# Allegro board A523-EVB-AXP717C-LPDDR4-4X-32X1-V1-0.brd (continued)
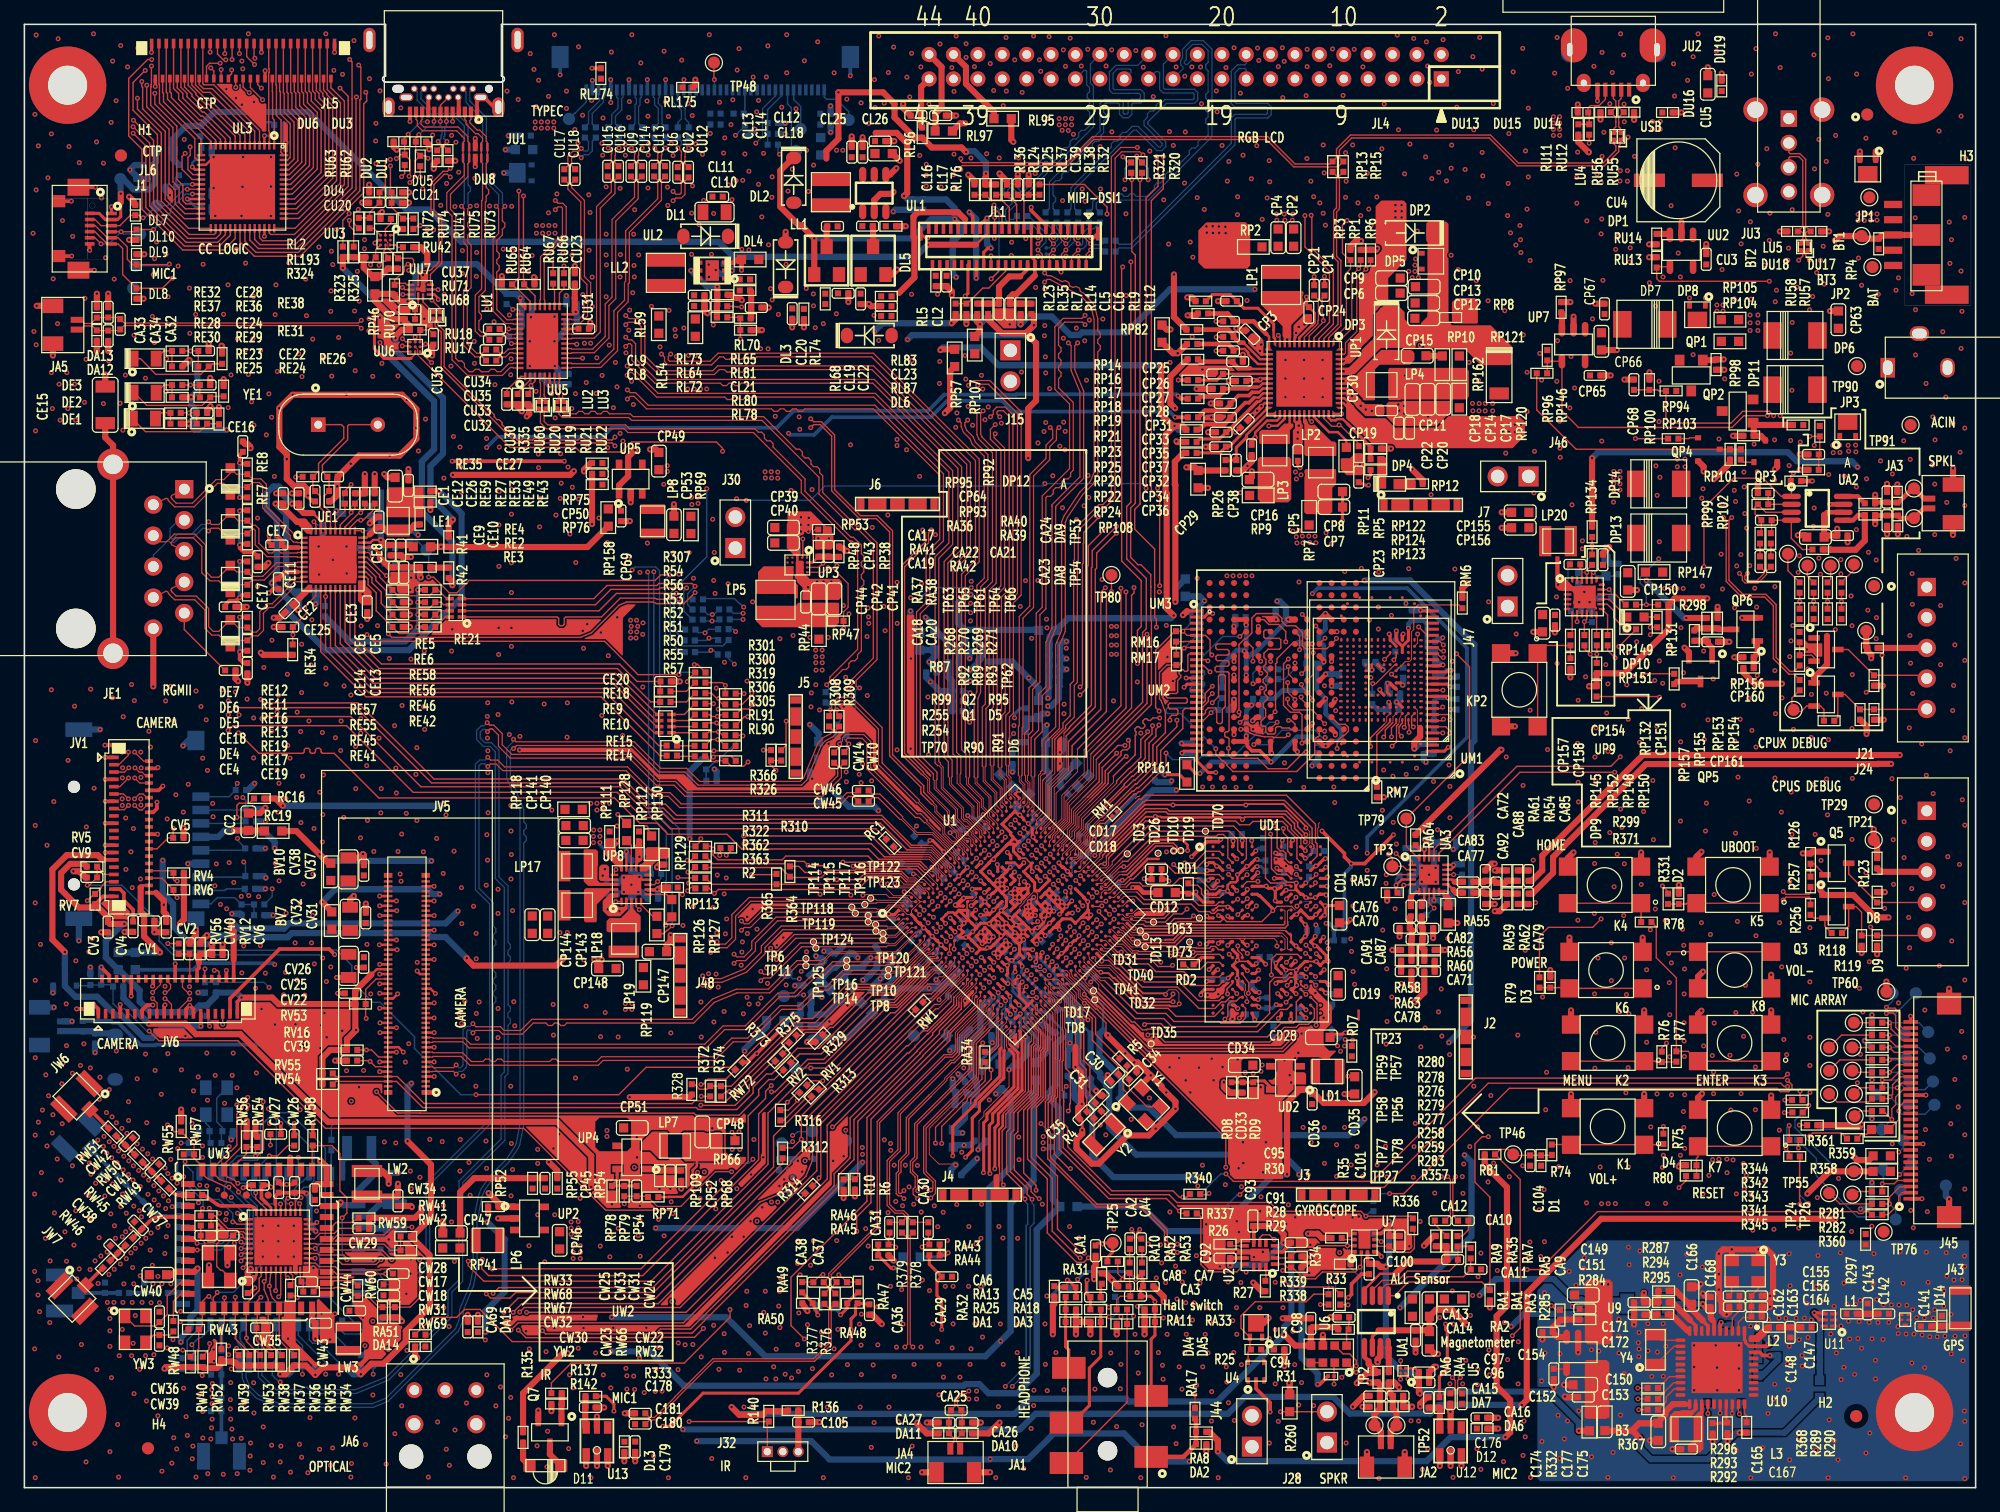
[diagram p0: board, top side]
## Routing (per net, layer and track width the routed paths; a pad name or vN(x,y) marks a point on that pad's centre or on a via; arc(x,y) is an arc through that point) (continued)
  TOP w0.33: JU1.A1 v1(37.12,112.04)
  TOP w0.381: UM2.G3 107.4,64.4 107.4,64.56 v1(107.49,64.65) ; v1(107.49,61.72) 107.49,61.88 UM2.E3 ; v1(104.39,60.35) 104.18,60.55 UM2.D6 ; DU8.3 v1(36.97,108.33) ; v1(102.63,71.19) UM2.P8 ; DU8.8 v1(36.97,110.64) ; v1(99.18,61.75) UM2.E11 ; UA2.7 v1(148.03,80.64) ; v1(99.18,66.63) UM2.J11 ; CV22.1 v1(25.69,40.54) ; JV5.1 33.49,32.41 v1(33.61,32.54) ; v1(99.18,64.63) UM2.G11 ; v1(107.18,67.75) UM2.L3 ; CD12.2 91.76,48.8 91.35,49.21 v1(90.89,49.21) ; v1(101.18,70.63) UM2.N9 ; CV26.1 v1(25.6,41.84) ; v1(105.18,69.75) UM2.N5 ; CV25.1 v1(27.22,42.65) ; v1(107.63,70.19) UM2.N3 ; RA36.1 v1(146.61,82.55) ; v1(99.18,70.63) UM2.N11 ; v1(99.18,67.75) UM2.L11 ; v1(100.74,62.19) UM2.E9 ; v1(105.62,62.68) 105.62,62.68 105.62,62.64 105.56,62.58 105.56,62.57 105.25,62.26 105.25,62.26 UM2.E5 ; UL2.3 58.18,100.46 58.43,100.72 RL70.2 v1(58.8,99.84) ; v1(107.18,65.75) UM2.J3
  TOP w0.508: v1(77.39,107.67) 77.9,107.16 RL36.1 ; v1(143.54,83.52) 143.73,83.71 QP3.2 ; CU23.1 v1(45.13,100.18) ; CW29.2 RW59.2 32.03,22.12 32.54,22.63 v1(32.54,23.01) ; CP32.2 v1(97.32,87.77) ; TP60.1 v1(152.68,41.5) ; R91.2 151.05,62.44 v1(151.05,61.8) ; CA7.2 93.42,15.66 v1(93.42,15.24) ; v1(71.27,106.26) 71.1,106.1 70.2,106.1 69.69,105.59 UL1.2 ; v1(51.31,85.14) 51.48,85.14 51.78,85.14 CP49.2 ; CA21.2 v1(149.5,77.52) ; v1(80.8,95.4) CL6.2 CL5.2 ; RE59.1 24.99,80.89 25.15,80.89 25.63,81.37 25.63,82.1 v1(25.65,82.11) 25.65,82.65 25.69,82.7 CE27.2 v1(26.76,83.96) 27.43,84.64 v1(29.96,84.64) 30.76,84.64 32.14,86.01 v1(32.14,86.91) 32.14,88.45 v1(31.36,89.23) 30.97,89.62 v1(26.41,89.62) v1(22,89.62) v1(20.91,88.53) 20.91,85.35 21.52,84.74 v1(21.52,84.35) 21.52,82.72 22.09,82.15 22.92,82.15 23.19,81.89 23.19,81.42 v1(23.24,81.36) ; CV38.1 27.46,51.66 v1(27.76,51.96) 27.83,51.88 CV37.1 ; DA1.1 DA3.1 87.41,12.57 v1(87.41,12.57) ; DA1.1 RA25.1 ; DA1.1 86.23,12.57 v1(86.23,12.57) ; v1(98.76,90.78) 98.79,90.75 CP30.2 ; CV3.2 v1(6.3,45.54) ; U3.3 101.59,13.48 v1(102.03,13.92) ; CV2.2 v1(10.66,45.55) CV1.2 ; UP7.2 v1(127.03,96.04) ; CP147.2 52.67,44.49 52.98,44.81 v1(52.98,45.31) ; CP150.2 v1(132.23,73.61) ; K6.2 v1(132.69,45.11) ; C35.2 86.41,30.36 86.41,31.16 v1(86.7,31.46) 86.64,31.52 86.64,34.04 v1(86.18,34.49) 86.18,36.16 ; C101.2 v1(113.56,19.79) ; v1(8.59,105.87) 8.97,105.49 8.97,105.33 DL7.1 ; CA34.2 v1(6.87,93.22) ; v1(100.76,16.81) 101.47,16.11 R27.2 ; v1(96.6,91.69) 96.96,91.33 CP33.2 ; CE25.1 v1(20.44,70.58) ; v1(31.53,105.37) CU21.1 ; DU6.1 30.28,109.97 v1(30.53,109.72) ; v1(137.64,42.32) 137.23,41.91 K8.2 ; v1(32.21,10.66) 32.03,10.84 DA14.1 ; CL22.2 v1(69.24,97.06) 69.41,96.89 CL23.2 ; v1(115.76,9.91) 115.61,9.91 C97.2 C96.2 ; C177.2 v1(116.92,6.22) 116.95,6.2 U12.5 ; CE8.2 28.89,79.62 28.5,79.26 28.33,79.09 v1(28.32,79.09) ; RE45.1 v1(31.62,71.59) ; CA27.1 v1(73.99,5.33) ; v1(18.54,85.24) 18.52,85.27 18.52,85.37 18.31,85.57 18.14,85.57 18.07,85.63 18.07,85.63 CE16.2 ; v1(136.12,68.88) 136.49,68.51 QP5.2 ; v1(120.56,47.27) 120.98,47.27 RA59.2 ; YW2.2 16.79,19.28 16.65,19.14 v1(16.65,18.24) ; CA69.2 v1(36.35,14.17) ; DP9.1 v1(126.77,66.45) ; UU2.2 v1(135.88,103.78) ; v1(71.78,108.81) 71.19,109.41 CL18.2 ; DU14.1 v1(131.99,112.17) ; R142.2 v1(43.21,6.27) ; RU14.1 v1(133.22,101.96) ; CV4.2 v1(8.2,45.57) ; v1(76.05,97.79) 76.05,98.1 CL2.2 RL5.1 ; DA11.1 73.99,4.45 73.23,5.21 v1(73.23,5.33) ; v1(108.93,6.64) 109.81,7.52 CA15.2 ; CP158.2 v1(125.5,70.13) ; v1(70.31,13.41) 69.54,14.18 CA36.1 ; CP25.2 v1(97.87,97.3) ; CE17.2 19.69,75.51 v1(20.01,75.84) ; R10.2 v1(67.17,23.75) ; v1(88.82,33.83) 88.82,33.59 C30.2 ; CL21.2 v1(61.04,96.78) ; v1(20.44,71.34) 20.95,71.34 CE2.2 ; CE9.2 29.79,82.85 v1(29.51,83.13) ; RM6.1 117.91,73.76 v1(118.31,74.17) ; DU16.1 v1(135.88,112.78) ; v1(16.16,93.65) 16.21,93.6 RE38.1 ; CP155.2 v1(121.13,79.98) ; v1(137.57,32.31) 137.23,31.98 K7.4 ; DL8.1 v1(9.77,97.5) ; DU13.1 v1(127.37,113.44) ; v1(79.96,5.33) 79.07,4.45 DA10.1 ; RP154.1 v1(138.84,72.24) ; CP66.1 v1(130.58,93.3) ; DL9.1 v1(9.83,101.15) ; v1(58.83,97.38) 58.64,97.57 58.25,97.57 58.03,97.8 57.69,97.8 RL73.1 ; v1(33.57,108.15) 33.57,108.54 DU2.1 ; v1(97.3,19.02) 97.3,19.24 R26.1 ; RP97.2 v1(126.77,97.22) ; v1(89.57,12.57) 89.57,12.57 DA4.1 ; KP2.4 v1(122.22,62.43) ; C179.1 v1(50.08,2.16) ; RU64.2 41.83,99.22 v1(41.78,99.27) ; CP36.2 v1(96.85,85.37) ; CD35.2 v1(108.24,32.28) ; v1(45.9,83.34) 45.9,83.49 46.43,84.03 RP75.1 ; JA3.3 v1(158.14,78.13) ; v1(16.34,90.91) RE31.1 ; YW2.4 15.04,17.04 15.14,17.14 v1(15.14,18.24) ; v1(135.65,26.33) 135.76,26.44 D4.1 ; CE14.1 CE13.1 v1(31.71,74.62) ; K8.4 v1(143.23,42.06) ; C105.1 v1(65.2,5.36) ; CP37.2 v1(97.27,88.91) ; DA7.1 v1(109.73,6.63) ; C94.2 103.32,10.44 v1(103.32,9.97) ; CA24.2 v1(152.73,82.32) ; RP109.1 v1(52.08,24.5) ; U6.6 v1(106.47,12.53) ; RA58.1 v1(112.17,44.09) ; v1(31.32,15.9) 31.19,15.77 CW18.1 CW17.1 ; v1(50.22,28.73) 50.55,29.06 CP51.2 ; RL74.1 v1(63.92,95.15) ; CE15.1 v1(6.63,91.28) ; CP38.2 99.91,83.42 v1(100.29,83.79) 100.63,84.13 CP19.2 ; v1(91,34.87) 91.2,34.67 C34.2 ; v1(91,34.87) 91.29,34.87 v1(92.35,33.81) ; v1(91,34.87) v1(90.27,35.61) 88.85,37.03 v1(88.85,37.08) 88.82,37.08 88.77,37.13 ; v1(129.95,77.14) 129.44,76.63 CP151.2 ; v1(145.41,78.11) 146,78.11 CA22.2 ; v1(14.07,45.75) 14.07,45.26 13.54,44.73 CV40.2 ; CV9.2 5,50.04 4.49,50.55 v1(4.01,50.55) ; D3.1 v1(125.12,42.44) ; RL37.1 80.57,107.13 79.98,107.72 79.98,107.75 v1(79.96,107.77) ; v1(31.78,23.01) 31.69,23.1 CW34.2 ; v1(30.58,96.6) 30.62,96.63 CU37.1 ; D8.1 v1(152.55,48.84) ; CL13.2 v1(67.84,110.82) ; RA45.2 70.86,19.04 v1(71.28,18.62) ; RM7.1 v1(111.47,56.62) ; R335.1 40.43,88.66 40.78,88.31 v1(40.78,88.26) ; R335.1 RU60.1 41.39,88.77 41.39,88.05 v1(41.19,87.85) ; R335.1 CU30.1 ; CP161.2 v1(139.8,69.37) ; JA2.4 v1(113.18,2.92) ; v1(91.85,12.57) 91.85,12.57 DA5.1 RA33.1 ; DL10.1 v1(8.59,102.33) ; RP101.1 v1(140.11,86.26) ; K5.2 v1(143.11,52.1) ; K1.4 v1(126.82,32.28) ; C95.2 v1(107.09,13.97) ; DA8.1 v1(153.62,78.18) ; v1(92.76,29.44) 92.2,28.88 v1(90.4,28.88) 88.09,26.57 87.53,26.57 86.27,27.83 86.27,28.55 86.74,29.02 v1(86.74,29.31) ; v1(92.76,29.44) v1(94.39,31.06) 94.39,31.65 v1(93.62,32.41) 93.24,32.8 93.24,32.93 v1(92.35,33.81) ; v1(92.76,29.44) 92.19,30.01 Y1.2 ; v1(87.88,32.54) 88.26,32.15 C31.2 ; CA16.2 DA6.1 113.78,6.63 v1(113.79,6.64) ; v1(120.56,51.17) 120.32,51.17 120,50.85 120,50.83 CA72.2 ; v1(27.02,48.51) 27.01,48.51 26.71,48.21 CV32.1 ; CP64.1 v1(145.57,84.73) ; CE3.1 28.11,71.38 28.11,71.38 v1(28.11,71.24) ; CU3.1 v1(137.91,101.98) ; v1(137.52,52.15) 137.11,51.74 K5.4 ; RP78.1 v1(48.17,23.24) ; v1(25.05,12.14) 24.71,12.49 CW43.1 ; CV5.2 v1(13.05,54.1) ; QP4.2 137.69,83.73 v1(137.69,83.34) ; K6.4 v1(126.69,45.11) ; U13.2 v1(46.95,1.78) ; K1.2 v1(132.82,32.28) ; DA15.1 v1(37.19,14.17) ; v1(87.71,17.09) 87.71,18.07 87.83,18.19 CA1.2 ; RA31.1 88.65,17.57 89.16,17.06 v1(89.15,17.06) 89.16,17.05 CA8.2 ; CP52.1 v1(52.97,24.5) ; v1(25.93,23.39) 25.63,23.09 UW3.31 ; UP2.2 v1(38.84,22.08) ; RE55.1 v1(31.62,72.61) ; v1(92.35,33.81) 91.64,33.1 Y1.4 ; v1(137.52,39.12) 137.23,38.83 K3.4 ; C178.2 v1(47.54,6.57) ; v1(103.18,13.89) C98.2 ; D6.1 v1(152.47,62.97) ; CA23.2 v1(152.73,78.18) ; CE20.2 v1(53.75,66.11) ; CA26.2 v1(78.44,5.33) ; RP52.1 v1(38.02,22.45) ; RE57.1 v1(31.62,73.63) ; DA13.1 v1(5.94,97.92) ; v1(82.35,107.68) RL38.1 ; UW3.36 v1(21.79,27.06) ; K2.4 v1(126.82,39.14) ; JA4.3 v1(73.6,1.26) ; RW56.1 v1(18.24,30.1) ; U13.3 v1(47.83,1.78) ; CE22.2 14.98,88.38 15.25,88.65 v1(15.25,88.7) ; CP34.2 v1(97.06,86.56) ; J45.31 v1(157.82,23.65) ; CE1.2 v1(20.64,81.54) ; v1(105.45,19.91) 105.27,20.09 C91.2 ; RA50.2 v1(64.21,14.48) ; v1(46.73,43.3) 47,43.03 47.1,43.03 ; v1(27.76,13.94) 27.76,14.24 CW44.1 ; v1(99.38,95.06) 99.56,95.06 99.72,94.9 CP3.2 ; D13.1 v1(49.19,2.16) ; v1(47.35,43.28) 47.1,43.03 ; 47.1,43.03 CP148.2 ; v1(77.24,95.43) RL35.1 ; RA56.2 v1(116.48,44.09) ; CC2.2 19.33,55.32 v1(19.76,55.75) ; C181.2 v1(49.23,6.1) ; RP48.1 v1(65.1,77.85) ; DL5.2 71.15,99.49 v1(71.55,99.89) ; v1(27.91,83.13) RE49.1 RE53.1 ; DU19.1 v1(139.18,115.98) ; v1(115.91,10.96) 115.63,10.96 CA14.2 ; C174.2 114.98,7.41 114.45,6.88 v1(114.45,6.65) ; R119.2 v1(150.65,43.84) ; CA17.2 142.14,82.37 v1(142.14,82.37) ; RL76.1 v1(72.27,103.45) ; CP47.2 v1(34.31,21.84) ; C92.2 v1(98.03,18.13) ; K2.2 v1(132.82,39.14) ; CE6.2 CE5.2 31,76.32 v1(31.7,76.32) ; CP157.2 v1(123.72,70.18) ; J45.32 v1(157.82,40.92) ; K7.2 v1(143.23,32.16) ; CP35.2 v1(96.11,90.11) ; J4.5 79.71,24.28 79.71,25.47 ; v1(99.49,35.13) 99.49,34.49 ; CP53.2 v1(53.26,80.64) ; CE19.2 v1(18.28,66.01) ; JA5.4 v1(2.34,92.84) ; v1(84.33,12.57) 84.33,14.94 84.45,15.07 RA32.1 ; v1(24.26,26.82) 24.27,26.82 24.78,26.31 UW3.33 24.02,24.89 23.82,24.69 CW24.2 ; v1(110.96,10.28) 110.95,10.28 110.95,10.54 111.18,10.77 UA1.7 ; K4.2 v1(132.57,52.1) ; CL12.1 v1(71.34,110.43) ; v1(62.96,95.15) CL20.2 ; RA61.1 120.72,50.62 120.72,50.61 v1(120.56,50.61) ; DU1.1 v1(35.33,108.82) ; v1(56.4,29.46) 56.01,29.46 CP48.2 ; CV31.1 v1(28,47.9) ; v1(21.62,12.22) 21.79,12.39 UW3.20 ; v1(120.56,47.86) 120.55,47.86 CA92.1 ; U12.2 v1(116.95,1.78) ; DU3.1 33.19,110.12 v1(33.19,109.76) ; DA2.1 v1(96.92,2.97) ; CP65.1 v1(130.07,91.21) ; C176.1 v1(120.85,5.73) ; RP100.1 v1(133.25,91.47) ; K3.2 v1(143.23,39.14) ; CL25.1 72.06,113.14 v1(72.06,113.49) ; CP69.1 v1(49.65,79.27) ; DU15.1 v1(129.24,112.19) ; U12.1 v1(116.06,1.78) ; v1(27.7,105.38) CU20.1 ; CE10.2 v1(31.49,83.53) ; CE28.2 v1(15.11,93.83) ; CP16.2 100.65,82.87 v1(100.65,83.35) ; DU4.1 v1(28.27,106.86) ; RU13.1 v1(133.22,100.91) ; v1(56.01,96.31) 55.77,96.55 CL8.2 CL9.2 ; UP4.2 v1(50.24,27.08) ; CP31.2 v1(99.91,92.91) ; CP43.1 v1(65.96,77.84) 65.94,77.86 RP53.1 ; CP67.1 v1(128.8,97.1) ; DU18.1 v1(143.94,103.02) ; CP160.2 v1(140.21,68.1) ; CL39.2 v1(81.46,107.71) ; U13.5 v1(46.95,5.83) ; JA2.3 v1(110.08,2.92) ; RE41.1 v1(31.62,70.58) ; JA5.3 v1(1.01,96.92) ; UP5.2 v1(49.71,80.8) ; KP2.2 v1(122.28,68.43) ; DP1.2 v1(150.5,109.58) ; DA12.1 v1(5.94,93.22) ; CA87.1 v1(115.51,45.07) ; v1(43,26.7) 43.7,26 RP54.1 ; RP98.1 v1(139.39,91.68) ; RE26.1 v1(15.96,88.62) ; RA3.1 v1(120.17,14.77) ; JE1.10 v1(10.57,65.7) ; CE12.2 v1(21.94,81.54) ; CA33.1 v1(6.87,97.92) ; D2.1 v1(135.66,49.43) ; RP93.1 v1(145.57,83.46) ; CP63.2 v1(148.05,96.49) ; CP156.2 v1(121.13,78.71) ; 33.43,93.63 v1(33.43,92.83) ; CV6.2 v1(16.25,44.53) ; U13.1 v1(46.06,1.78) ; v1(153.58,82.27) DA9.1 ; DP1.1 v1(151.8,109.58) ; D5.1 v1(152.38,65.77) ; Q7.2 v1(42.14,6.32) ; CW28.2 v1(31.65,17.55) ; CE4.2 17.31,66.34 v1(17.52,66.13) ; QP6.2 v1(140.85,71.33) ; CV39.2 v1(25.48,35.02) ; CE24.2 v1(15.24,91.01) ; RE43.1 v1(28.72,83.13) ; CA91.2 v1(112.76,45.19) ; CA13.2 v1(114.07,11.08) ; D12.1 v1(120.85,4.84) ; K4.4 126.57,51.64 v1(127.03,52.1) ; RU65.2 v1(39.15,99.36) ; JA4.4 v1(79.19,1.26) ; CP68.1 v1(131.19,90.87) ; JV1.41 v1(8.22,47) ; v1(46.4,95.57) 46.4,95.16 CU31.1 ; JA3.4 v1(158.14,83.59) ; DU17.1 v1(147.98,103.02) ; D9.1 v1(151.92,43.74) ; CL19.2 v1(67.56,97.23) ; CE18.2 v1(18.23,72.23) ; CL26.2 v1(76.4,112.52) ; DL4.1 v1(62.42,102.99) ; CU5.1 v1(138.04,116.48) ; RW42.2 v1(31.69,18.74) ; U12.3 v1(117.83,1.78) ; DU5.1 v1(31.53,106.23) ; CL14.2 v1(68.73,110.74)
  L2GND w0.076: 85.47,47.19 85.5,47.19 85.9,47.6 ; 85.72,49.71 86.28,49.25 ; 82.02,48.11 81.94,47.93 81.66,47.6 ; 81.33,42.77 81.74,42.29 ; 82.3,43.84 82.85,43.69 ; 87.78,46.95 88.28,46.84 ; 79.15,47.7 79.15,46.99 ; 82.12,40.59 82.78,41.2 ; 79.17,47.75 79.76,47.68
  L3 w0.076: 82.09,43.46 82.09,43.33 82.47,42.95 ; 76.4,46.99 76.4,46.75 75.92,46.27 v1(75.54,46.27) ; v1(89.77,44.96) v1(89.94,43.92)
  L3 w0.254: v1(79.09,48.46) v1(78.75,48.05) ; v1(85.04,43.81) 84.71,43.51 ; v1(83.97,46.95) 84.01,47.21 84.01,47.39 v1(84.06,47.61) v1(84.41,47.28) v1(83.97,46.95) ; v1(83.97,46.95) v1(83.57,46.59)
  L4 w0.076: v1(52.12,93.55) 51.97,93.55 51.89,93.47 51.89,92.49 ; 101.04,57.16 100.93,57.05 96.15,57.05
  L4 w0.254: v1(85.6,38.89) 85.6,40.45 v1(84.04,42.01) ; v1(80.54,49.15) 80.48,49.15 v1(80.15,49.48) v1(79.8,49.81) ; v1(79.09,48.46) v1(78.75,48.05)
  L5GND w0.076: 81.74,42.29 81.28,42.82 ; 85.5,47.19 85.9,47.6 ; 85.72,49.71 86.28,49.25 ; 79.22,47.73 79.88,47.73 ; 79.15,47.7 79.17,46.86 ; 81.66,47.6 81.94,47.93 82.02,48.11 ; 87.78,46.95 88.28,46.84 ; 82.14,40.59 82.7,41.1 ; 82.3,43.84 82.85,43.69
  BOTTOM w0.076: v1(81.82,41.47) 81.82,40.91 82.98,39.75 83.89,39.75 C20.2
  BOTTOM w0.127: v1(103.45,42.43) 103.41,42.4 CD31.2
  BOTTOM w0.254: C14.2 81.53,45.93 v1(81.33,46.14) 81.25,46.22 C15.2 81.02,46.51 v1(80.8,46.73) ; C84.2 74.09,44.85 v1(74.45,45.21) ; v1(75.17,44.51) 74.79,44.14 C83.2 ; v1(72.15,48.87) 72.15,48.83 72.16,48.82 72.16,48.08 72.33,47.91 C25.2 ; v1(77.31,50.86) 77.03,51.14 C6.2 ; v1(74.25,53.08) 74.01,52.83 R20.1 ; CD15.2 84.69,47.55 v1(84.41,47.28) ; v1(80.84,50.87) 80.99,51.02 C4.2 ; v1(77.25,53.66) 76.9,54 C5.2 v1(75.9,53.71) ; CD32.2 87.22,42.04 v1(86.98,41.8) ; C29.2 74.74,50.54 v1(74.41,50.87) ; C22.2 85.16,42.26 v1(84.64,42.79) ; v1(83.55,27.78) 84.04,27.78 C23.2 ; v1(105.84,45.21) 106.02,45.38 CD2.2 106.02,46.03 v1(105.89,46.15) ; CD3.2 98.99,53.16 v1(99.11,53.04) ; C16.2 83.85,47.4 v1(84.06,47.61) 84.04,47.63 CD16.2 ; CD7.2 101.28,43.24 v1(101.01,42.98) ; v1(81.23,45.52) 81.16,45.45 C46.2 80.63,45.45 v1(80.19,45.9) ; v1(77.34,55.12) C8.2 78.25,54.81 v1(78.63,55.19) ; v1(73.74,45.91) 73.32,45.49 C89.2 ; CD20.2 99.78,41.44 v1(99.44,41.78) ; CD5.2 103.28,50.8 v1(103.46,50.98) ; v1(76.61,50.15) 76.23,50.52 C86.2 ; CD13.2 96.9,48.85 v1(96.91,48.86) ; C44.2 v1(78.96,44.27) ; C37.2 81.67,63.91 81.19,63.43 v1(81.19,63.13) ; CP146.2 48.72,48.84 v1(49.15,48.84) ; v1(79.12,46.23) 79.35,46 C39.2 ; v1(96.93,41.51) 97.08,41.66 CD11.2 ; C87.2 70.85,47.06 v1(70.87,47.04) 71.21,46.7 C27.2 ; CD29.2 83.57,46.11 v1(83.57,46.59) ; v1(99.06,38.43) 99.06,38.47 98.96,38.57 CD23.2 ; v1(85.04,43.81) 84.66,43.46 ; v1(81.93,44.94) 82.02,44.86 C47.2 82.07,44.15 82.07,43.59 81.52,43.04 81.14,43.04 v1(80.95,43.23) v1(80.59,42.82) v1(80.64,41.34) ; CD26.2 98.52,48.8 v1(98.66,48.94) ; CD30.2 82.83,45.4 v1(82.62,45.61) ; v1(101.09,51.53) 101.19,51.43 CD9.2 ; C10.2 80.01,47.43 v1(80.11,47.33) 80.25,47.19 C9.2 ; 91.06,56.85 91.06,56.72 88.67,54.33 ; v1(90.03,49.81) 89.66,49.43 CD14.2 ; v1(79.09,48.46) v1(78.75,48.05) 78.71,48.1 C85.2 ; v1(81.62,55.16) 81.62,55.23 81.38,55.48 C7.2 ; v1(100.89,38.38) 101,38.49 CD4.2 ; C20.2 84.86,39.93 v1(84.89,39.9) ; v1(101.17,40.03) 101.32,40.18 CD24.2 ; v1(105.89,50.98) 105.8,50.98 105.77,50.95 CD25.2 ; CP136.2 47.94,51.97 47.19,52.72 v1(47.19,52.9) ; CD8.2 107.23,39.31 v1(106.93,39.01) ; v1(105.08,38.53) 105.01,38.46 CD21.2 ; v1(76.67,45.94) v1(77.05,46.28) 76.91,46.43 C28.2 ; v1(72.9,50.32) 72.6,50.62 C88.2
  BOTTOM w0.305: C50.2 82.76,54.77 82.45,54.46 v1(82.32,54.46) ; v1(80.54,49.15) 80.48,49.15 v1(80.15,49.48) 79.82,49.81 v1(79.8,49.81) ; C40.2 77.14,45.07 v1(77.19,45.12) 77.32,45.25 C42.2 77.69,45.52 v1(77.76,45.59) 78.09,45.92 C26.2 ; v1(21.62,12.22) 21.95,11.88 RW18.1 ; v1(79.85,46.32) 79.58,46.05 C39.2 ; C60.2 84.8,39.26 85.23,39.26 v1(85.6,38.89) ; JL2.42 v1(43.93,115.86) ; JL2.41 v1(67.73,115.79) ; v1(97.1,49.82) CD10.2
  BOTTOM w0.381: DU9.8 36.97,110.64 v1(36.97,110.64) ; CM15.2 v1(116.94,63.82) ; CM5.2 100.89,62.34 v1(100.74,62.19) ; DU9.3 36.97,108.34 v1(36.97,108.33) ; v1(116.3,69.7) 116.22,69.62 115.91,69.62 CM16.2 ; CM14.2 v1(116.89,65.68)
  BOTTOM w0.508: CA81.2 117.3,51.12 117.25,51.07 v1(117.19,51.07) ; CA80.2 113.73,48.96 114.45,49.68 v1(114.58,49.68) 114.79,49.47 CA93.2 ; R19.1 75.05,65.34 v1(74.3,66.09) 73.95,66.43 C72.2 ; R19.1 76.07,65.35 76.07,66.14 75.77,66.45 C140.2 ; R19.1 76.09,64.51 R18.1 76.1,63.68 R17.1 ; 85.36,58.52 C12.2 ; 85.36,58.52 85.36,58.56 84.91,59 v1(84.91,59.39) ; 85.36,58.52 C11.2 84.96,58.12 C13.2 ; CA73.2 117.42,52.6 v1(117.17,52.35) ; CW19.1 CW20.1 30.63,12.63 v1(30.63,12.41) 30.63,12.31 R334.2 ; CM9.2 107.8,65.75 v1(107.18,65.75) ; CM10.2 102.6,71.22 v1(102.63,71.19) ; C45.2 v1(74.75,41.66) ; C45.2 75.75,41.5 C38.2 76,41.73 C41.2 ; C45.2 v1(74.19,40.94) 71.76,40.94 C52.2 ; v1(68.75,41.62) 68.9,41.62 C57.2 69.93,42.65 C33.2 69.93,43.05 v1(70.33,43.45) C90.2 ; v1(87.88,32.54) 87.43,32.98 C21.2 ; v1(24.13,77.18) 24.46,77.51 RE40.1 ; v1(21.41,110.29) 21.41,110.31 21.33,110.4 CL1.2 CL56.2 ; v1(99.18,64.63) 99.18,64.22 CM17.2 ; v1(115.72,50.83) 115.6,50.95 CA84.2 ; CM13.2 94.89,61.03 v1(94.89,61.04) ; v1(26.41,77.18) 26.54,77.06 RE47.1 ; v1(17.01,47.07) 17.71,47.07 DU20.1 ; C1.2 85.6,38.22 v1(85.6,38.89) ; v1(63.42,26.8) 63.3,26.92 R12.2 ; DC9.1 19.66,55.65 v1(19.76,55.75) ; CP139.2 50.19,48.84 v1(50.34,48.84) 50.58,48.84 CP138.2 ; C139.2 81.01,67.74 v1(82.35,66.41) 83.16,65.6 C36.2 ; CU25.1 v1(44.44,97.75) ; C54.2 65.1,37.9 65.16,37.95 65.74,37.95 v1(66.01,38.23) ; v1(85.45,67.1) 85.18,67.1 C76.2 ; v1(109.42,22.23) 109.42,22.17 109.43,22.15 109.43,22.03 109.76,21.7 109.88,21.7 109.93,21.66 R36.2 ; C74.2 64.41,58.33 64.59,58.14 v1(64.59,58.14) ; C58.2 67.09,44.37 C79.2 66.26,43.83 66.09,43.99 v1(65.56,43.99) ; CP149.2 49.93,50.58 v1(50.42,50.09) 50.67,50.34 CP135.2 51.29,50.42 CP137.2 ; R14.2 76.65,36.69 C43.2 76.1,36.07 v1(75.87,35.84) ; CL54.2 v1(66.11,111.15) ; CM1.2 112.81,64.72 v1(112.51,64.42) 112.69,64.25 CM2.2 ; J9.2 v1(3.9,38.24) ; CM12.2 106.08,59.7 v1(105.59,59.21) ; 99.49,34.51 v1(99.49,35.13) ; R103.2 151.46,36.09 v1(150.9,36.65) ; JC1.11 13.44,61.27 v1(13.01,60.84) ; DU7.3 v1(39.32,107.82) ; v1(63.01,38.83) 63.03,38.81 63.51,38.81 63.51,38.81 63.56,38.81 C55.2 63.64,38.78 63.64,38.81 63.65,38.82 63.65,39.56 C56.2 ; v1(67.49,39.53) 67.72,39.77 68.63,39.77 ; v1(99.18,70.63) 99.3,70.74 CM11.2 ; v1(18.87,57.75) 18.33,57.21 DC10.1 ; v1(43.47,94.01) 44.44,94.98 CU24.1 ; JC1.10 v1(14.07,45.75) ; v1(2.34,40.59) 2.35,40.61 QV1.2 ; DL11.1 CL55.2 9.19,107.54 v1(8.66,108.08) 9.04,108.46 CL4.2 ; v1(43.49,91.98) 43.73,91.74 CU26.1 CU27.1 ; C49.2 85.16,60.54 v1(84.91,60.3) ; v1(15.52,109.12) 15.36,109.28 CL3.2 ; RM10.2 113.06,65.86 v1(113.02,65.82) ; v1(31.62,72.61) 31.11,73.12 RE51.1 ; CM6.2 110.78,67.67 v1(111.38,67.07) ; C76.2 84.9,66.54 C77.2 84.88,65.71 C51.2 84.83,64.73 84.18,64.08 v1(83.92,64.08) ; C76.2 84.91,67.4 C78.2 ; C3.2 81.28,57.48 v1(81.56,57.2) ; v1(56.69,99.85) 57.01,99.53 CL27.2 ; UW1.23 v1(24.26,26.82) ; v1(28.6,18.69) 28.57,18.66 UW1.32 ; CP145.2 48.75,49.63 v1(49.15,50.03) ; v1(25.57,80.1) 25.82,79.86 CE23.2 ; CV8.2 v1(14.25,40.6) ; v1(25.05,12.14) 24.9,12.14 24.26,12.78 UW1.39 ; C48.2 92.85,57.86 93.95,57.86 v1(94.06,57.96) ; TP102.1 157.56,23.91 v1(157.82,23.65) ; CW16.1 v1(30.63,25.81) ; RL190.1 v1(62.38,111.02) ; C73.2 63.82,41.22 63.77,41.17 v1(63.18,41.17) ; v1(86.7,31.46) 86.63,31.46 86.12,31.97 C24.2 86.12,32.23 86.11,32.25 86.11,33.22 C2.2 ; v1(105.18,69.75) 104.81,70.13 RM5.1 ; v1(25.93,23.39) 26.16,23.16 UW1.27 ; CU28.1 41.61,95.9 v1(41.53,95.99) 41.61,96.07 CU29.1 ; CL52.2 v1(62.38,111.91) ; CP159.2 127.41,73.96 v1(127.91,73.46) ; RW73.1 v1(61.91,24.74) ; CL57.2 15.36,104.58 v1(15.65,104.29) ; CP153.2 130.1,75.76 CP152.2 129.69,77.14 v1(129.95,77.14) ; RP136.1 128.65,72.92 v1(128.35,72.62) 128.35,72.03 RP135.1 ; C99.2 v1(5.79,35.69) ; JC1.12 v1(4.47,44.85) ; v1(85.45,69.39) 85.19,69.39 C75.2 84.92,68.25 C78.2 ; v1(11.94,105.99) 11.59,106.34 CL58.2 ; v1(80.99,36.72) 81.02,36.75 C71.2 ; DC8.1 v1(19.76,52.42) ; v1(29.87,20.35) 29.79,20.43 CW21.1 27.43,20.43 UW1.30 ; CL53.2 v1(66.11,113.31) ; CM8.2 v1(114.48,71.95) ; R21.1 81.02,58.7 v1(81.03,58.7) ; CU8.2 v1(39.7,110.87) ; DC7.1 19.66,50.15 v1(19.79,50.02) ; CW7.2 17.09,28.83 16.96,28.7 v1(16.96,28.53) ; CA89.2 113.94,50.19 v1(114.58,50.83) 114.15,51.26 CA74.2 CA90.2 ; v1(5.41,42.67) CV7.2 ; v1(20.52,52.45) 20.52,52.96 19.76,53.73 DU21.1 ; JC1.13 v1(6.21,62.17) ; v1(56.58,58.92) 56.76,58.73 R11.1 ; C59.2 84.31,37.33 v1(83.36,38.28) ; C78.2 85.18,67.98 v1(85.45,67.98) ; v1(64.9,43.6) 65.08,43.43 65.36,43.43 C82.2 65.56,43.15 65.05,42.64 C80.2 64.99,42.55 64.46,42.02 C81.2 ; v1(32.28,78.13) 31.91,78.5 CE21.2 ; v1(15.52,106.58) 15.36,106.42 CL59.2 ; JC1.6 v1(13.41,51.17) ; v1(78.21,27.72) 78.76,28.27 C62.2 ; DU22.1 v1(19.76,54.64) ; DC6.1 v1(19.76,49.11) ; CA75.2 116.06,48.16 v1(115.58,48.16) 115.3,48.16 CA86.2 ; 40.13,109.73 v1(39.45,109.73) ; v1(82.08,36.97) 82.22,36.83 C70.2 82.22,35.53 C69.2 81.19,34.73 v1(80.74,34.28) ; v1(114.92,59.5) 114.74,59.68 CM4.2 115.52,60.16 CM3.2 ; RV14.1 v1(6.3,42.67) ; J9.4 v1(2.42,39.39) ; C61.2 75.98,26.09 v1(76.35,26.47) 76.33,26.5